# KiCad board smps_legged_robot.kicad_pcb (continued)
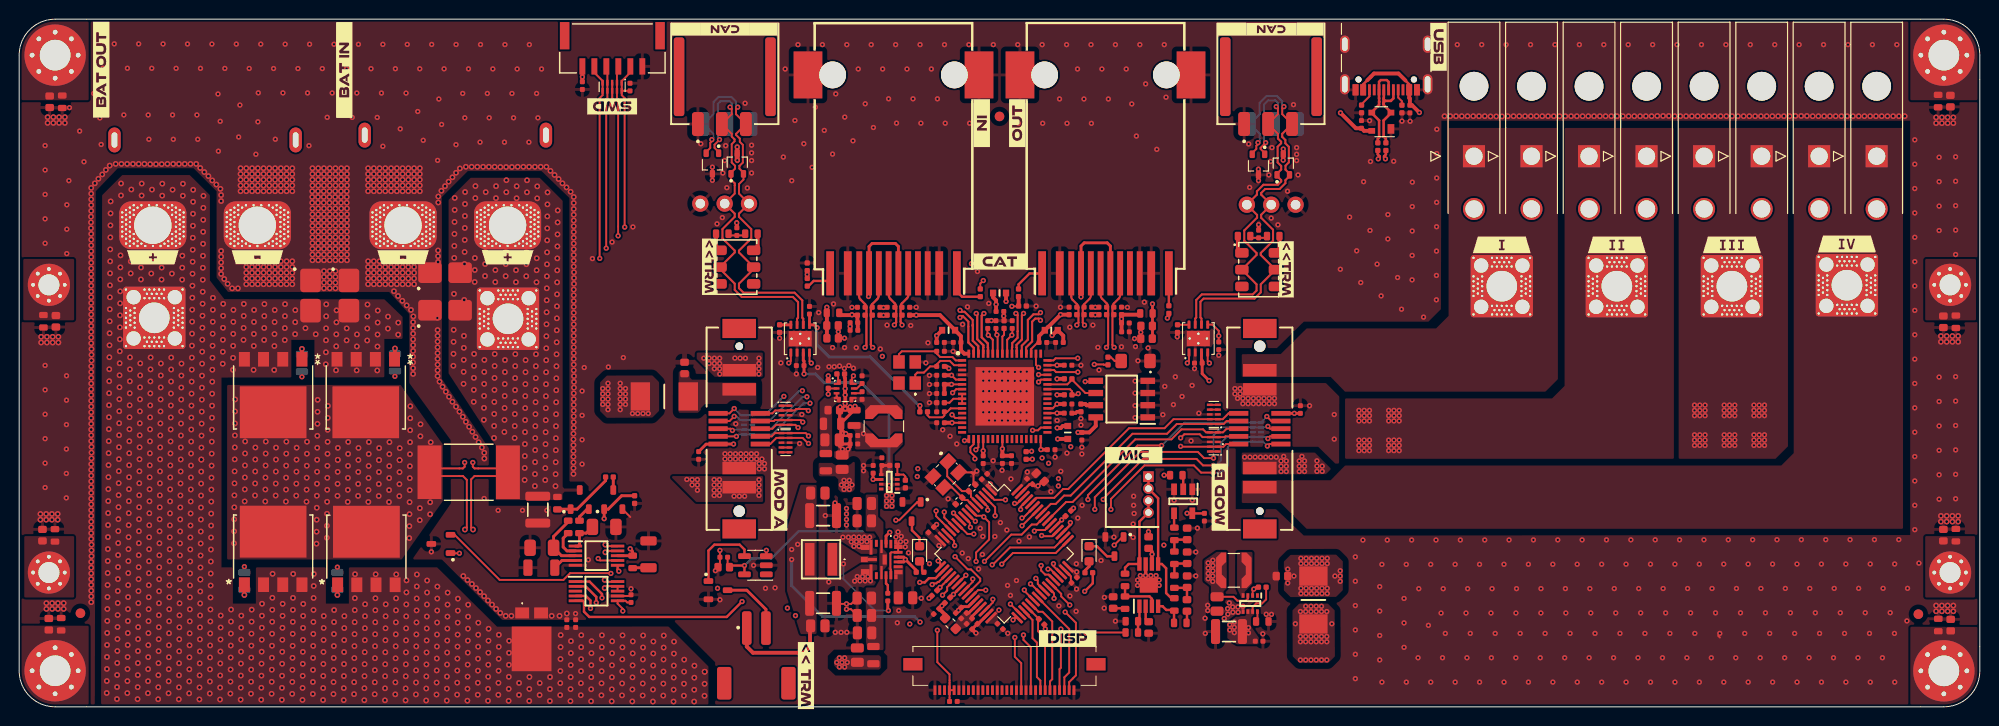
[diagram p0: board, top side]
## Routing (per net, layer and track width the routed paths; a pad name or vN(x,y) marks a point on that pad's centre or on a via; arc(x,y) is an arc through that point) (continued)
/Project Architecture/Power - Local Generation/3V3_GD: length 72.2
  L1 (Sig, PWR) w0.2: v2(128.78,12.28) 128.65,12.15 ; 128.65,12.15 IC801.2 ; 128.65,12.15 128.98,12.47 R806.1 ; v2(114.22,16.86) 115.06,17.71 Q802.1 115.09,17.71
  L1 (Sig, PWR) w0.3: IC1201.2 90.42,17.8 v2(90.8,18.19)
  L3 (Sig, PWR) w0.2: v2(114.22,16.86) v2(119.39,16.86) ; 92.89,8.76 v2(92.89,8.64) 92.89,8.56 95.97,5.48 112.25,5.48 118.18,11.41 127.92,11.41 v2(128.78,12.28)
  L4 (Sig, PWR) w0.2: v2(119.39,16.86) 121.52,14.74 121.52,13.26 122.5,12.28 v2(128.78,12.28) ; v2(90.8,18.19) 90.8,13.17 92.89,11.08 v2(92.89,8.64)
/Project Architecture/Power - Local Generation/5V_GD: length 22
  L1 (Sig, PWR) w0.2: v2(91.44,19.46) 91.79,19.46 93.69,21.36 Q801.1 ; 93.78,21.2 94.07,21.2 93.93,21.2 ; v2(84.39,32.6) R803.1 84.41,33.19 U802.2
  L4 (Sig, PWR) w0.2: v2(84.39,32.6) 84.39,26.96 89.04,22.31 89.04,20.76 90.34,19.46 v2(91.44,19.46)
/Project Architecture/Power - Local Generation/VCC_5V: length 1.1
  L1 (Sig, PWR) w0.2: C814.1 87.9,33.71 87.38,33.19 U802.7
GND: length 61
  L1 (Sig, PWR) w0.2: C401.2 99.54,23.35 99.54,24.25 ; C1802.2 73.09,14.76 C1801.2 v2(73.09,16.31) ; 91.7,17 91.6,17 IC1201.18 ; 91.7,17 v2(91.93,17.22) ; 91.7,17 IC1201.17 91.68,16.66 IC1201.16 90.97,16.11 90.87,16.01 90.87,14.36 90.92,14.31 IC1201.11 ; C1207.1 85.3,10.73 v2(86.29,10.73) 86.79,10.73 C802.2 ; U401.47 109.69,13.61 109.69,12.99 C407.2 ; 99.54,24.25 v2(99.87,24.58) 99.73,24.44 99.29,24.44 ; 99.54,24.25 99.35,24.44 99.29,24.44 ; C2001.2 63.69,11.56 IC2001.7 ; 99.29,24.44 Y401.4 ; D402.3 D402.8 v2(61.85,62.82) ; Q1102.2 62.92,20.61 63.74,19.79 ; 92.17,21.2 92.17,21.74 ; C801.2 86.76,10.18 v2(86.29,10.18) ; v2(72.3,56.27) D1104.3 72.3,54.9 v2(72.3,54.9) ; 177.39,7.23 177.21,7.41
  L1 (Sig, PWR) w0.25: C411.2 106.73,23.5 v2(106.26,23.03) 105.87,23.03 C410.2 105.4,23.22 U401.63
  L1 (Sig, PWR) w0.3: C812.2 85.69,29 v2(86.22,28.48) ; C812.2 85.69,29.53 C817.2 C813.2 85.56,29.64 C812.2 ; C812.2 85.69,27.98 C811.2 ; v2(86.22,28.48) 86.18,28.48 C811.2 ; v2(86.22,28.48) 86.41,28.28 86.67,28.28 ; 86.67,27.41 85.97,27.41 C811.2 ; 86.67,27.41 86.67,27.09 v2(86.44,26.86) ; 86.67,27.41 86.67,28.28 ; C811.2 85.99,28.28 86.67,28.28 ; C811.2 85.54,27.19 v2(85.87,26.86) ; U401.27 98.99,10.44 98.35,10.44 C414.2 98.25,10.34 v2(97.97,10.06) C413.2 ; v2(95.69,19.01) 95.67,19.01 C408.2 ; U401.31 100.03,8.66 99.95,8.66 99.39,8.09 99.39,8.09
  L1 (Sig, PWR) w0.35: R802.2 86.09,34.31 86.16,34.25 v2(86.16,33.17) 86.16,32.84 86.17,32.83 86.16,32.83 v2(86.16,32.52) v2(86.16,31.61) ; 99.71,23.17 C401.2 ; C1133.2 96.75,35.5 v2(96.97,35.28) ; v2(86.16,31.61) 86.16,31.34 86.56,30.94 C817.2 ; v2(86.16,31.61) 86.16,31.28 86.02,31.14 85.94,31.14 85.94,31.06 85.81,30.94 C813.2 ; R1130.1 110.33,30.77 110.18,30.62 C1121.2 ; IC1701.9 117.5,13.02 117.5,14.89
  L1 (Sig, PWR) w0.4: 74.86,50.52 74.85,50.52 74.85,50.47 v2(74.84,50.46) 74.85,50.44 C1150.2 ; v2(131.85,58.15) D1102.3 131.85,57.01 v2(131.84,57) ; 74.9,57.73 D1105.3 v2(74.89,58.37) ; 99.39,8.09 99.78,7.69 v2(99.8,7.69) 99.84,7.69 ; 87.71,16.64 v2(87.6,16.74) ; v2(129.25,56.05) 129.26,56.05 D1103.3 129.26,54.87 v2(129.27,54.86) ; C1149.2 v2(129.28,50.27)
  L1 (Sig, PWR) w0.5: D1105.3 74.89,57 v2(74.9,56.99)
  vias: v1(2.22,20.11) v1(2.22,19.51) v1(2.29,38.58) v1(2.29,37.98) v1(2.82,20.11) v1(2.82,19.51) v1(2.89,38.58) v1(2.89,37.98) v1(2.84,10.81) v1(2.84,10.21) v1(2.97,61.48) v1(2.97,60.88) v1(3.41,20.11) v1(3.41,19.51) v1(3.49,38.58) v1(3.49,37.98) v1(3.44,10.81) v1(3.44,10.21) v1(3.57,61.48) v1(3.57,60.88) v1(4.02,20.11) v1(4.02,19.51) v1(4.04,10.81) v1(4.04,10.21) v1(4.09,38.58) v1(4.09,37.98) v1(4.16,61.48) v1(4.16,60.88) v1(4.64,10.81) v1(4.64,10.21) v1(4.77,61.48) v1(4.77,60.88) v1(7.52,54.11) v1(7.52,53.51) v1(7.52,52.91) v1(7.52,52.31) v1(7.52,51.71) v1(7.49,51.11) v1(7.49,50.51) v1(7.49,49.91) v1(7.52,49.31) v1(7.52,48.71) v1(7.52,48.11) v1(7.52,47.51) v1(7.52,46.91) v1(7.52,46.31) v1(7.52,45.71) v1(7.52,45.11) v1(7.52,44.51) v1(7.52,43.91) v1(7.52,43.31) v1(7.52,42.71) v1(7.52,42.11) v1(7.52,41.51) v1(7.52,40.91) v1(7.52,40.31) v1(7.52,39.71) v1(7.52,39.11) v1(7.52,38.51) v1(7.52,37.91) v1(7.54,37.31) v1(7.54,36.71) v1(7.54,36.11) v1(7.52,35.51) v1(7.52,34.91) v1(7.52,34.31) v1(7.52,33.71) v1(7.52,33.11) v1(7.52,32.51) v1(7.52,31.91) v1(7.52,31.31) v1(7.52,30.71) v1(7.52,30.11) v1(7.52,29.51) v1(7.52,28.91) v1(7.52,28.31) v1(7.52,27.71) v1(7.54,27.11) v1(7.54,26.51) v1(7.54,25.91) v1(7.52,25.31) v1(7.52,24.71) v1(7.52,24.11) v1(7.52,23.51) v1(7.52,22.91) v1(7.52,22.31) v1(7.52,21.71) v1(7.52,21.11) v1(7.52,20.51) v1(7.52,19.91) v1(7.52,19.31) v1(7.52,18.71) v1(7.52,18.11) v1(7.52,17.51) v1(7.54,16.91) v1(7.54,16.31) v1(7.54,15.71) v1(7.52,15.11) v1(7.52,14.51) v1(7.52,13.91) v1(7.52,13.31) v1(7.52,12.71) v1(7.52,12.11) v1(7.52,11.51) v1(7.52,10.91) v1(7.89,54.58) v1(8.27,55.06) v1(8.66,55.51) v1(9.04,55.98) v1(9.44,56.44) v1(10.07,56.61) v1(10.66,56.61) v1(11.27,56.61) v1(11.87,56.61) v1(12.47,56.61) v1(13.07,56.61) v1(13.66,56.58) v1(14.27,56.58) v1(14.87,56.58) v1(15.47,56.61) v1(16.07,56.61) v1(16.66,56.61) v1(17.27,56.61) v1(17.87,56.61) v1(18.46,56.61) v1(18.89,56.19) v1(19.32,55.76) v1(19.74,55.33) v1(20.14,54.89) v1(20.57,54.46) v1(20.99,54.01) v1(21.07,53.36) v1(21.07,52.73) v1(21.07,47.53) v1(21.07,46.94) v1(21.07,46.33) v1(21.07,45.73) v1(21.07,45.14) v1(21.39,44.61) v1(21.74,44.11) v1(22.21,43.64) v1(22.82,43.64) v1(23.09,56.16) v1(23.09,55.56) v1(23.09,54.96) v1(23.09,54.36) v1(23.09,53.76) v1(23.69,56.16) v1(23.69,55.56) v1(23.69,54.96) v1(23.69,54.36) v1(23.69,53.76) v1(23.69,46.46) v1(23.69,45.86) v1(23.69,45.26) v1(23.69,44.66) v1(23.69,44.06) v1(24.29,56.16) v1(24.29,55.56) v1(24.29,54.96) v1(24.29,54.36) v1(24.29,53.76) v1(24.29,46.46) v1(24.29,45.86) v1(24.29,45.26) v1(24.29,44.66) v1(24.29,44.06) v1(24.89,56.16) v1(24.89,55.56) v1(24.89,54.96) v1(24.89,54.36) v1(24.89,53.76) v1(24.89,46.46) v1(24.89,45.86) v1(24.89,45.26) v1(24.89,44.66) v1(24.89,44.06) v1(25.49,56.16) v1(25.49,55.56) v1(25.49,54.96) v1(25.49,54.36) v1(25.49,53.76) v1(25.49,46.46) v1(25.49,45.86) v1(25.49,45.26) v1(25.49,44.66) v1(25.49,44.06) v1(26.09,56.16) v1(26.09,55.56) v1(26.09,54.96) v1(26.09,54.36) v1(26.09,53.76) v1(26.09,46.46) v1(26.09,45.86) v1(26.09,45.26) v1(26.09,44.66) v1(26.09,44.06) v1(26.69,56.16) v1(26.69,55.56) v1(26.69,54.96) v1(26.69,54.36) v1(26.69,53.76) v1(26.69,46.46) v1(26.69,45.86) v1(26.69,45.26) v1(26.69,44.66) v1(26.69,44.06) v1(27.29,56.16) v1(27.29,55.56) v1(27.29,54.96) v1(27.29,54.36) v1(27.29,53.76) v1(27.29,46.46) v1(27.29,45.86) v1(27.29,45.26) v1(27.29,44.66) v1(27.29,44.06) v1(27.89,56.16) v1(27.89,55.56) v1(27.89,54.96) v1(27.89,54.36) v1(27.89,53.76) v1(27.89,46.46) v1(27.89,45.86) v1(27.89,45.26) v1(27.89,44.66) v1(27.89,44.06) v1(28.49,56.16) v1(28.49,55.56) v1(28.49,54.96) v1(28.49,54.36) v1(28.49,53.76) v1(28.49,46.46) v1(28.49,45.86) v1(28.49,45.26) v1(28.49,44.66) v1(28.49,44.06) v1(30.59,56.16) v1(30.59,55.56) v1(30.59,54.96) v1(30.59,54.36) v1(30.57,53.76) v1(30.57,53.16) v1(30.57,52.56) v1(30.59,51.96) v1(30.59,51.36) v1(30.59,50.76) v1(30.59,50.16) v1(30.59,49.56) v1(30.59,48.96) v1(30.59,48.36) v1(30.59,47.76) v1(30.59,47.16) v1(30.59,46.56) v1(31.19,56.16) v1(31.19,55.56) v1(31.19,54.96) v1(31.19,54.36) v1(31.16,53.76) v1(31.16,53.16) v1(31.16,52.56) v1(31.19,51.96) v1(31.19,51.36) v1(31.19,50.76) v1(31.19,50.16) v1(31.19,49.56) v1(31.19,48.96) v1(31.19,48.36) v1(31.19,47.76) v1(31.19,47.16) v1(31.19,46.56) v1(31.79,56.16) v1(31.79,55.56) v1(31.79,54.96) v1(31.79,54.36) v1(31.77,53.76) v1(31.77,53.16) v1(31.77,52.56) v1(31.79,51.96) v1(31.79,51.36) v1(31.79,50.76) v1(31.79,50.16) v1(31.79,49.56) v1(31.79,48.96) v1(31.79,48.36) v1(31.79,47.76) v1(31.79,47.16) v1(31.79,46.56) v1(31.79,45.43) v1(31.79,44.83) v1(31.79,44.23) v1(31.79,43.64) v1(32.39,56.16) v1(32.39,55.56) v1(32.39,54.96) v1(32.39,54.36) v1(32.37,53.76) v1(32.37,53.16) v1(32.37,52.56) v1(32.39,51.96) v1(32.39,51.36) v1(32.39,50.76) v1(32.39,50.16) v1(32.39,49.56) v1(32.39,48.96) v1(32.39,48.36) v1(32.39,47.76) v1(32.39,47.16) v1(32.39,46.56) v1(32.39,45.43) v1(32.39,44.83) v1(32.39,44.23) v1(32.39,43.64) v1(32.99,56.16) v1(32.99,55.56) v1(32.99,54.96) v1(32.99,54.36) v1(32.96,53.76) v1(32.96,53.16) v1(32.96,52.56) v1(32.99,51.96) v1(32.99,51.36) v1(32.99,50.76) v1(32.99,50.16) v1(32.99,49.56) v1(32.99,48.96) v1(32.99,48.36) v1(32.99,47.76) v1(32.99,47.16) v1(32.99,46.56) v1(32.99,45.43) v1(32.99,44.83) v1(32.99,44.23) v1(32.99,43.64) v1(33.59,56.16) v1(33.59,55.56) v1(33.59,54.96) v1(33.59,54.36) v1(33.57,53.76) v1(33.57,53.16) v1(33.57,52.56) v1(33.59,51.96) v1(33.59,51.36) v1(33.59,50.76) v1(33.59,50.16) v1(33.59,49.56) v1(33.59,48.96) v1(33.59,48.36) v1(33.59,47.76) v1(33.59,47.16) v1(33.59,46.56) v1(34.19,56.16) v1(34.19,55.56) v1(34.19,54.96) v1(34.19,54.36) v1(34.16,53.76) v1(34.16,53.16) v1(34.16,52.56) v1(34.19,51.96) v1(34.19,51.36) v1(34.19,50.76) v1(34.19,50.16) v1(34.19,49.56) v1(34.19,48.96) v1(34.19,48.36) v1(34.19,47.76) v1(34.19,47.16) v1(34.19,46.56) v1(36.39,56.16) v1(36.39,55.56) v1(36.39,54.96) v1(36.39,54.36) v1(36.39,53.76) v1(36.39,46.46) v1(36.39,45.86) v1(36.39,45.26) v1(36.39,44.66) v1(36.39,44.06) v1(36.99,56.16) v1(36.99,55.56) v1(36.99,54.96) v1(36.99,54.36) v1(36.99,53.76) v1(36.99,46.46) v1(36.99,45.86) v1(36.99,45.26) v1(36.99,44.66) v1(36.99,44.06) v1(37.59,56.16) v1(37.59,55.56) v1(37.59,54.96) v1(37.59,54.36) v1(37.59,53.76) v1(37.59,46.46) v1(37.59,45.86) v1(37.59,45.26) v1(37.59,44.66) v1(37.59,44.06) v1(38.19,56.16) v1(38.19,55.56) v1(38.19,54.96) v1(38.19,54.36) v1(38.19,53.76) v1(38.19,46.46) v1(38.19,45.86) v1(38.19,45.26) v1(38.19,44.66) v1(38.19,44.06) v1(38.79,56.16) v1(38.79,55.56) v1(38.79,54.96) v1(38.79,54.36) v1(38.79,53.76) v1(38.79,46.46) v1(38.79,45.86) v1(38.79,45.26) v1(38.79,44.66) v1(38.79,44.06) v1(39.09,43.33) v1(39.39,56.16) v1(39.39,55.56) v1(39.39,54.96) v1(39.39,54.36) v1(39.39,53.76) v1(39.39,46.46) v1(39.39,45.86) v1(39.39,45.26) v1(39.39,44.66) v1(39.39,44.06) v1(39.52,42.83) v1(39.99,56.16) v1(39.99,55.56) v1(39.99,54.96) v1(39.99,54.36) v1(39.99,53.76) v1(39.99,46.46) v1(39.99,45.86) v1(39.99,45.26) v1(39.99,44.66) v1(39.99,44.06) v1(39.96,42.33) v1(40.41,41.86) v1(40.59,56.16) v1(40.59,55.56) v1(40.59,54.96) v1(40.59,54.36) v1(40.59,53.76) v1(40.59,46.46) v1(40.59,45.86) v1(40.59,45.26) v1(40.59,44.66) v1(40.59,44.06) v1(40.87,41.39) v1(41.12,40.71) v1(41.09,40.11) v1(41.09,39.51) v1(41.09,38.91) v1(41.09,38.31) v1(41.09,37.71) v1(41.09,37.11) v1(41.09,36.51) v1(41.09,35.91) v1(41.09,35.31) v1(41.09,34.71) v1(41.19,56.16) v1(41.19,55.56) v1(41.19,54.96) v1(41.19,54.36) v1(41.19,53.76) v1(41.19,46.46) v1(41.19,45.86) v1(41.19,45.26) v1(41.19,44.66) v1(41.19,44.06) v1(41.79,56.16) v1(41.79,55.56) v1(41.79,54.96) v1(41.79,54.36) v1(41.79,53.76) v1(43.71,53.21) v1(43.71,52.58) v1(43.69,47.58) v1(43.69,46.98) v1(43.69,46.39) v1(43.64,39.28) v1(43.64,38.69) v1(43.64,38.08) v1(43.64,37.48) v1(43.64,36.89) v1(43.64,36.28) v1(43.64,35.69) v1(43.64,35.08) v1(43.64,34.49) v1(43.84,33.91) v1(44.04,53.81) v1(44.16,33.38) v1(44.41,54.28) v1(44.5,32.86) v1(44.79,54.76) v1(44.83,32.33) v1(45.19,55.21) v1(45.19,31.81) v1(45.57,55.69) v1(45.56,31.3) v1(45.92,30.78) v1(45.96,56.14) v1(46.27,30.25) v1(46.32,13.64) v1(46.59,56.31) v1(46.59,29.72) v1(46.76,13.22) v1(46.93,29.2) v1(47.19,56.31) v1(47.22,12.81) v1(47.27,28.68) v1(47.6,28.14) v1(47.65,12.39) v1(47.79,56.31) v1(47.92,27.59) v1(48.07,11.96) v1(48.26,27.04) v1(48.39,56.31) v1(48.51,26.49) v1(48.52,25.89) v1(48.49,11.53) v1(48.9,11.08) v1(48.99,56.31) v1(49.32,10.66) v1(49.59,56.31) v1(49.74,10.21) v1(50.19,56.28) v1(50.18,9.79) v1(50.79,56.28) v1(50.74,9.48) v1(51.34,9.48) v1(51.39,56.28) v1(51.99,56.31) v1(52.59,56.31) v1(53.19,56.31) v1(53.79,56.31) v1(54.39,56.31) v1(54.99,56.31) v1(55.41,55.89) v1(55.54,9.48) v1(55.84,55.46) v1(56.27,55.03) v1(56.36,9.48) v1(56.66,54.58) v1(57.09,54.16) v1(57.12,9.73) v1(57.52,53.71) v1(57.84,53.16) v1(57.84,52.53) v1(57.84,51.91) v1(57.84,51.31) v1(57.84,50.71) v1(57.84,50.11) v1(57.84,49.51) v1(57.84,48.91) v1(57.84,48.31) v1(57.84,47.71) v1(57.84,47.11) v1(57.84,46.51) v1(57.84,45.91) v1(57.84,43.51) v1(57.84,42.91) v1(57.84,42.31) v1(57.84,41.71) v1(57.84,41.08) v1(57.84,40.48) v1(57.84,39.89) v1(57.84,39.28) v1(57.84,38.69) v1(57.84,38.08) v1(57.84,37.48) v1(57.84,36.89) v1(57.84,36.28) v1(57.84,35.69) v1(57.84,35.08) v1(57.84,32.69) v1(57.84,32.08) v1(57.84,31.48) v1(57.84,30.89) v1(57.84,30.28) v1(57.84,29.69) v1(57.84,29.08) v1(57.82,28.48) v1(57.82,27.89) v1(57.82,27.28) v1(57.82,26.69) v1(57.82,26.08) v1(57.82,25.48) v1(57.82,24.89) v1(57.82,24.28) v1(57.87,45.31) v1(57.87,44.71) v1(57.87,44.11) v1(57.87,34.48) v1(57.87,33.89) v1(57.87,33.28) v1(148.67,61.59) v1(149.27,61.59) v1(149.87,61.59) v1(150.47,61.59) v1(151.06,61.59) v1(151.67,61.59) v1(152.27,61.59) v1(152.87,61.59) v1(153.47,61.56) v1(154.06,61.56) v1(154.67,61.56) v1(155.27,61.59) v1(155.87,61.59) v1(156.47,61.59) v1(157.06,61.59) v1(157.67,61.59) v1(158.27,61.59) v1(158.87,61.59) v1(159.47,61.59) v1(160.06,61.59) v1(160.67,61.59) v1(161.27,61.59) v1(161.87,61.59) v1(162.47,61.59) v1(163.06,61.59) v1(163.67,61.59) v1(164.27,61.59) v1(164.87,61.59) v1(165.47,61.59) v1(166.06,61.59) v1(166.67,61.59) v1(167.27,61.59) v1(167.87,61.59) v1(168.47,61.59) v1(169.06,61.59) v1(169.67,61.59) v1(170.27,61.59) v1(170.87,61.61) v1(171.47,61.61) v1(172.06,61.61) v1(172.67,61.59) v1(173.27,61.59) v1(173.87,61.59) v1(174.47,61.59) v1(175.06,61.59) v1(175.67,61.59) v1(176.27,61.59) v1(176.87,61.59) v1(177.47,61.59) v1(178.06,61.59) v1(178.67,61.59) v1(179.27,61.59) v1(179.87,61.59) v1(180.47,61.59) v1(181.06,61.59) v1(181.67,61.59) v1(182.27,61.59) v1(182.87,61.59) v1(183.47,61.59) v1(184.06,61.59) v1(184.67,61.59) v1(185.27,61.61) v1(185.87,61.61) v1(186.47,61.61) v1(187.06,61.59) v1(187.67,61.59) v1(188.27,61.59) v1(188.87,61.59) v1(189.47,61.59) v1(190.06,61.59) v1(190.67,61.59) v1(191.27,61.59) v1(191.87,61.59) v1(192.47,61.59) v1(193.06,61.59) v1(193.67,61.59) v1(194.27,61.59) v1(194.87,61.59) v1(195.47,61.59) v1(196.06,61.59) v1(196.67,61.59) v1(199.94,61.46) v1(199.94,60.86) v1(199.94,10.56) v1(199.94,9.96) v1(200.44,38.66) v1(200.44,38.06) v1(200.44,19.91) v1(200.44,19.31) v1(200.54,61.46) v1(200.54,60.86) v1(200.54,10.56) v1(200.54,9.96) v1(201.04,38.66) v1(201.04,38.06) v1(201.04,19.91) v1(201.04,19.31) v1(201.14,61.46) v1(201.14,60.86) v1(201.14,10.56) v1(201.14,9.96) v1(201.64,38.66) v1(201.64,38.06) v1(201.64,19.91) v1(201.64,19.31) v1(201.74,61.46) v1(201.74,60.86) v1(201.74,10.56) v1(201.74,9.96) v1(202.24,38.66) v1(202.24,38.06) v1(202.24,19.91) v1(202.24,19.31) v2(2.71,58.52) v2(2.71,55.97) v2(2.71,53.43) v2(2.71,50.88) v2(2.71,48.33) v2(2.71,35.6) v2(2.71,33.05) v2(2.71,30.51) v2(2.71,27.96) v2(2.71,25.41) v2(2.71,22.86) v2(4.94,34.52) v2(4.93,31.97) v2(4.93,29.43) v2(4.93,26.88) v2(4.92,24.33) v2(4.92,21.78) v2(4.97,52.35) v2(4.97,49.8) v2(4.96,47.25) v2(5.18,54.86) v2(5.24,62.47) v2(6.31,60.03) v2(6.76,56.83) v2(7.78,63.95) v2(8.42,61.4) v2(8.55,58.64) v2(8.75,66.59) v2(9.92,69.13) v2(10.92,61.71) v2(11.29,66.58) v2(12.46,69.12) v2(13.46,61.71) v2(13.53,59.17) v2(13.83,66.58) v2(15.01,69.12) v2(16,61.71) v2(16.08,59.17) v2(16.37,66.57) v2(17.56,69.11) v2(18.54,61.71) v2(18.62,59.17) v2(18.91,66.57) v2(20.1,69.11) v2(20.74,63.9) v2(20.78,57.94) v2(20.97,61.05) v2(21.45,66.57) v2(22.65,69.1) v2(22.89,59.41) v2(23.02,62.74) v2(23.99,66.56) v2(24.69,57.62) v2(24.9,61) v2(24.94,64.02) v2(25.2,69.1) v2(26.53,66.56) v2(26.72,59.18) v2(27.51,64.01) v2(27.74,69.09) v2(29.07,66.55) v2(30.08,64.01) v2(30.23,58.51) v2(30.29,69.09) v2(31.62,66.55) v2(32.13,61.47) v2(32.65,64) v2(32.84,69.08) v2(34.16,66.54) v2(34.74,61.46) v2(35.22,64) v2(35.39,69.08) v2(36.7,66.54) v2(37.35,61.46) v2(37.79,64) v2(37.93,69.08) v2(37.93,58.45) v2(39.24,66.53) v2(39.75,60.27) v2(40.35,63.99) v2(40.48,69.07) v2(41.57,62.07) v2(41.78,66.53) v2(42.15,59.07) v2(43.03,69.07) v2(42.99,16.16) v2(43.62,40.54) v2(43.64,56.98) v2(43.77,63.37) v2(44.06,60.72) v2(44.32,66.52) v2(45.57,69.06) v2(45.56,58.62) v2(46.26,63.95) v2(46.48,61.41) v2(46.86,66.52) v2(48.12,69.06) v2(48.07,58.88) v2(48.49,21.72) v2(48.83,63.95) v2(49.02,61.41) v2(49.4,66.51) v2(49.96,20.48) v2(50.62,58.88) v2(50.67,69.05) v2(51.4,63.95) v2(51.56,61.41) v2(51.94,66.51) v2(52.5,20.48) v2(53.21,69.05) v2(53.16,58.88) v2(53.97,63.95) v2(54.11,61.41) v2(54.48,66.5) v2(55.04,20.48) v2(58.03,9.72) v2(58.71,32.93) v2(58.71,30.39) v2(58.71,27.85) v2(58.71,25.31) v2(58.94,35.38) v2(59.36,15.33) v2(59.79,46.73) v2(61.45,35.44) v2(61.84,48.46) v2(63.02,36.41) v2(63.82,12.31) v2(64.02,50.03) v2(71.09,58.71) v2(72.62,14.19) v2(72.79,50.36) v2(73.09,11.17) v2(73.34,51.01) v2(73.39,55.66) v2(73.59,56.96) v2(73.62,26.39) v2(73.62,25.83) v2(73.69,58.51) v2(73.81,54.13) v2(74.16,26.39) v2(74.16,25.83) v2(74.72,26.39) v2(74.72,25.83) v2(74.74,29.51) v2(75.27,26.39) v2(75.27,25.83) v2(75.72,62.94) v2(75.81,26.39) v2(75.81,25.83) v2(75.95,54.1) v2(76.39,58.56) v2(76.39,57.76) v2(76.39,56.96) v2(76.39,55.66) v2(76.37,26.39) v2(76.37,25.83) v2(76.6,14.75) v2(76.91,26.39) v2(76.91,25.83) v2(77.19,25.36) v2(77.19,24.81) v2(77.47,25.83) v2(77.74,25.36) v2(77.74,24.81) v2(77.84,12.36) v2(78.84,12.41) v2(79.31,38.44) v2(79.44,35.86) v2(79.7,57.33) v2(79.9,66.5) v2(80.58,54.86) v2(80.91,61.14) v2(81.06,34.71) v2(81.23,69.05) v2(81.4,27.45) v2(81.63,30.48) v2(81.84,58.71) v2(82.71,56.25) v2(83.04,62.52) v2(83.29,35.39) v2(83.39,41.11) v2(83.78,69.05) v2(83.97,60.1) v2(84.08,19.94) v2(84.44,13.02) v2(84.47,35.46) v2(84.84,57.63) v2(84.84,37.46) v2(84.94,42.01) v2(85.02,35.46) v2(85.09,21.26) v2(85.12,7.77) v2(85.17,63.91) v2(85.44,39.11) v2(85.56,35.53) v2(85.63,31.26) v2(85.73,7.77) v2(85.92,17.69) v2(86.11,61.49) v2(86.08,38.44) v2(86.09,37.46) v2(86.06,35.28) v2(86.17,31.08) v2(86.32,69.05) v2(86.29,20.69) v2(86.29,20.11) v2(86.29,19.53) v2(86.29,18.96) v2(86.33,7.77) v2(86.49,17.69) v2(86.54,35.58) v2(86.67,39.66) v2(86.67,31.27) v2(86.79,17.21) v2(86.86,41.65) v2(86.97,59.02) v2(87.02,35.31) v2(87.05,17.7) v2(87.06,16.73) v2(87.18,31.33) v2(87.14,13.11) v2(87.31,37.45) v2(87.33,17.22) v2(87.42,13.58) v2(87.52,66.5) v2(87.6,17.7) v2(87.69,13.14) v2(87.87,17.22) v2(87.97,13.58) v2(88.07,25.16) v2(88.07,24.61) v2(88.15,17.69) v2(88.24,13.14) v2(88.24,62.88) v2(88.42,17.22) v2(88.52,13.58) v2(88.7,17.69) v2(88.79,13.14) v2(88.87,69.05) v2(89.1,60.4) v2(89.82,37.31) v2(90.06,66.5) v2(90.15,41.64) v2(90.52,39.8) v2(90.68,63.4) v2(91.42,69.05) v2(91.51,60.86) v2(91.45,17.7) v2(91.59,8.76) v2(91.67,18.23) v2(91.74,10.03) v2(92,17.77) v2(92.42,16.68) v2(92.49,17.23) v2(92.6,66.5) v2(92.77,16.06) v2(92.99,39.76) v2(93.23,63.4) v2(93.56,41.66) v2(93.96,69.05) v2(94.05,60.86) v2(94.09,11.32) v2(94.57,35.86) v2(94.79,37.96) v2(94.94,34.56) v2(94.94,33.61) v2(94.94,32.66) v2(94.94,31.71) v2(95.14,66.5) v2(95.78,63.39) v2(96.33,28.89) v2(96.51,69.05) v2(96.59,60.85) v2(96.89,21.69) v2(97.09,28.21) v2(97.42,37.06) v2(97.79,27.41) v2(98.4,39.88) v2(98.37,16.03) v2(98.91,41.7) v2(98.99,15.46) v2(99.06,69.05) v2(99.13,60.85) v2(99.95,45.39) v2(100.07,14.37) v2(100.24,18.61) v2(100.51,17.77) v2(100.47,15.89) v2(100.57,34.95) v2(100.56,34.01) v2(100.56,32.91) v2(100.56,31.81) v2(100.56,30.71) v2(101.13,42.06) v2(101.19,34.96) v2(101.18,34.02) v2(101.18,32.92) v2(101.18,31.82) v2(101.18,30.72) v2(101.17,29.86) v2(101.4,40.28) v2(101.61,69.05) v2(101.59,25.66) v2(101.81,34.95) v2(101.79,34.01) v2(101.79,32.91) v2(101.79,31.81) v2(101.79,30.71) v2(101.78,29.85) v2(101.77,17.76) v2(102.34,19.21) v2(102.53,34.95) v2(102.52,34.02) v2(102.52,32.92) v2(102.52,31.81) v2(102.52,30.72) v2(102.51,29.86) v2(102.51,24.66) v2(102.69,40.75) v2(103.02,18.44) v2(103.14,34.01) v2(103.14,32.91) v2(103.14,31.81) v2(103.14,30.71) v2(103.12,29.85) v2(103.09,12.66) v2(103.11,7.67) v2(103.15,34.95) v2(103.39,11.62) v2(103.44,23.76) v2(103.84,33.98) v2(103.84,32.89) v2(103.84,31.81) v2(103.84,30.71) v2(103.83,29.83) v2(103.86,34.92) v2(104.02,13.17) v2(104.15,69.05) v2(104.21,60.85) v2(104.28,17.26) v2(104.44,29.83) v2(104.47,34.94) v2(104.45,34) v2(104.45,32.89) v2(104.45,31.8) v2(104.45,30.69) v2(105.09,34.95) v2(105.08,34.01) v2(105.08,32.9) v2(105.08,31.8) v2(105.08,30.7) v2(105.07,29.85) v2(105.37,17.71) v2(106.07,41.78) v2(106.7,69.05) v2(106.75,60.84) v2(107.61,22.44) v2(108.05,26.04) v2(108.26,29.86) v2(108.44,10.53) v2(108.51,63.38) v2(108.61,41.66) v2(108.64,24.56) v2(109.25,69.05) v2(109.29,60.84) v2(109.28,26.45) v2(109.58,39.58) v2(109.59,11.56) v2(110.24,9.96) v2(110.27,14.91) v2(110.28,12.28) v2(110.39,66.5) v2(110.42,19.69) v2(110.74,35.61) v2(110.74,30.06) v2(110.74,29.38) v2(110.84,27.06) v2(110.84,26.36) v2(110.87,21.01) v2(111.06,63.38) v2(111.79,69.05) v2(111.83,60.84) v2(111.99,39.8) v2(112.24,41.66) v2(112.51,37.48) v2(112.63,35.12) v2(112.84,15.26) v2(112.93,66.5) v2(113.19,11.42) v2(113.17,10.29) v2(113.6,63.38) v2(114.18,17.69) v2(114.34,8.94) v2(114.34,69.05) v2(114.97,37.53) v2(115.47,66.5) v2(115.59,41.65) v2(116.05,62.86) v2(116.24,21.96) v2(116.24,21.01) v2(116.19,19.06) v2(116.19,17.66) v2(116.33,38.39) v2(116.29,20.16) v2(116.44,37.56) v2(116.39,33.96) v2(116.39,32.71) v2(116.39,31.41) v2(116.39,30.16) v2(116.53,59.52) v2(116.69,36.08) v2(116.65,13.22) v2(116.65,12.67) v2(116.89,69.05) v2(116.94,13.69) v2(116.98,39.05) v2(117.36,42.19) v2(117.49,64.95) v2(117.49,13.69) v2(117.75,37.42) v2(117.79,18.26) v2(118.03,13.69) v2(118.58,13.69) v2(118.66,58.13) v2(118.9,13.22) v2(118.9,12.67) v2(119.29,30.46) v2(119.43,69.05) v2(119.49,33.41) v2(119.62,63.56) v2(120.39,31.51) v2(120.47,21.53) v2(120.59,34.41) v2(120.79,38.58) v2(121.29,32.36) v2(122.23,27.73) v2(122.34,33.51) v2(122.37,21.53) v2(122.59,35.26) v2(122.72,16.14) v2(122.72,13.65) v2(122.89,18.64) v2(123.04,30.61) v2(123.69,9.23) v2(123.72,7.66) v2(123.97,10.58) v2(123.97,10.03) v2(124.59,19.36) v2(125.12,36.65) v2(125.69,9.21) v2(126.04,10.23) v2(126.06,9.66) v2(126.22,10.84) v2(126.56,10.41) v2(126.59,9.86) v2(126.81,33.19) v2(126.81,32.64) v2(127.08,32.16) v2(127.12,10.41) v2(127.14,9.86) v2(127.36,33.19) v2(127.36,32.64) v2(127.63,32.16) v2(127.63,31.61) v2(127.64,10.48) v2(128.24,58.69) v2(128.18,32.16) v2(128.18,31.61) v2(128.34,54.16) v2(128.73,32.16) v2(128.73,31.61) v2(129.28,32.16) v2(129.28,31.61) v2(129.72,7.61) v2(129.83,32.16) v2(129.83,31.61) v2(130.07,9.65) v2(130.34,55.46) v2(130.38,32.16) v2(130.38,31.61) v2(130.54,56.86) v2(130.59,50.96) v2(130.62,9.64) v2(130.67,58.31) v2(130.93,32.16) v2(130.93,31.61) v2(131.29,50.26) v2(132.29,53.76) v2(132.92,62.78) v2(133.24,58.31) v2(133.24,57.61) v2(133.24,56.96) v2(133.39,55.46) v2(134.59,31.39) v2(137.17,30.47) v2(137.17,27.91) v2(137.8,45.63) v2(138.77,51.06) v2(139.37,15.64) v2(139.37,13.1) v2(139.37,10.56) v2(139.37,8.02) v2(139.37,5.48) v2(139.37,2.94) v2(139.5,47.55) v2(139.93,44.24) v2(140.23,54.75) v2(140.16,17.39) v2(140.85,61.12) v2(140.94,56.86) v2(140.9,49.67) v2(141.64,46.15) v2(141.91,12.53) v2(141.91,9.98) v2(141.91,7.44) v2(141.91,4.89) v2(142.06,42.85) v2(142.13,14.85) v2(142.14,2.58) v2(142.7,17.39) v2(142.76,51.32) v2(142.75,48.78) v2(143.37,56.89) v2(143.77,44.76) v2(144.23,61.07) v2(144.18,41.46) v2(144.45,11.3) v2(144.45,8.75) v2(144.45,6.2) v2(144.68,14.85) v2(144.68,2.58) v2(145.08,61.05) v2(145.24,17.39) v2(145.31,54.71) v2(145.3,52.16) v2(145.3,49.61) v2(145.29,47.07) v2(145.28,44.52) v2(145.91,5.11) v2(145.98,12.31) v2(146.48,40.64) v2(146.99,8.49) v2(147.23,14.85) v2(147.23,2.58) v2(147.84,50.06) v2(147.83,47.52) v2(147.82,44.98) v2(147.82,42.44) v2(147.78,17.39) v2(147.86,60.22) v2(147.86,57.68) v2(147.85,55.14) v2(147.84,52.6) v2(148.31,9.78) v2(148.53,12.32) v2(148.46,5.11) v2(148.75,7.66) v2(149.77,14.86) v2(149.78,2.58) v2(150,69.05) v2(150.32,17.4) v2(150.91,9.78) v2(151.01,5.11) v2(151.08,12.32) v2(151.35,7.66) v2(152.32,14.86) v2(152.32,2.58) v2(152.54,69.05) v2(152.86,17.4) v2(153.51,9.78) v2(153.63,12.32) v2(153.55,5.11) v2(153.95,7.66) v2(154.87,14.86) v2(154.87,2.58) v2(155.09,69.05) v2(155.4,17.4) v2(156.11,9.78) v2(156.1,5.11) v2(156.18,12.32) v2(156.56,7.66) v2(157.41,14.86) v2(157.42,2.58) v2(157.64,69.05) v2(157.94,17.4) v2(158.73,12.32) v2(158.72,9.78) v2(158.65,5.11) v2(159.16,7.66) v2(159.96,14.86) v2(159.97,2.58) v2(160.19,69.05) v2(160.48,17.41) v2(161.2,5.11) v2(161.27,12.33) v2(161.32,9.79) v2(161.76,7.66) v2(162.51,14.87) v2(162.51,2.58) v2(162.73,69.05) v2(163.02,17.41) v2(163.82,12.33) v2(163.75,5.11) v2(163.92,9.79) v2(164.36,7.66) v2(165.05,14.87) v2(165.06,2.58) v2(165.28,69.05) v2(165.56,17.41) v2(166.3,5.11) v2(166.37,12.33) v2(166.52,9.79) v2(166.97,7.66) v2(167.6,14.87) v2(167.61,2.58) v2(167.83,69.05) v2(168.1,17.41) v2(168.92,12.33) v2(168.85,5.11) v2(169.13,9.79) v2(169.57,7.66) v2(170.15,14.87) v2(170.15,2.58) v2(170.37,69.05) v2(170.64,17.41) v2(171.4,5.11) v2(171.47,12.33) v2(171.73,9.79) v2(172.17,7.66) v2(172.7,14.88) v2(172.7,2.58) v2(172.92,69.05) v2(173.18,17.42) v2(174.02,12.34) v2(173.95,5.11) v2(174.33,9.8) v2(174.77,7.66) v2(175.24,14.88) v2(175.25,2.58) v2(175.47,69.05) v2(175.72,17.42) v2(176.49,5.11) v2(176.57,12.34) v2(176.93,9.8) v2(177.38,7.66) v2(177.79,14.88) v2(177.79,2.58) v2(178.01,69.05) v2(178.26,17.42) v2(179.12,12.34) v2(179.04,5.11) v2(179.54,9.8) v2(179.98,7.66) v2(180.34,14.88) v2(180.34,2.58) v2(180.56,69.05) v2(180.8,17.42) v2(181.59,5.11) v2(181.67,12.34) v2(182.14,9.8) v2(182.58,7.66) v2(182.88,14.88) v2(182.89,2.58) v2(183.11,69.05) v2(183.35,17.42) v2(184.22,12.34) v2(184.14,5.11) v2(184.74,9.8) v2(185.18,7.66) v2(185.43,14.89) v2(185.44,2.58) v2(185.65,69.05) v2(185.89,17.43) v2(186.69,5.11) v2(186.76,12.35) v2(187.34,9.81) v2(187.79,7.66) v2(187.98,14.89) v2(187.98,2.58) v2(188.2,69.05) v2(188.43,17.43) v2(189.24,5.11) v2(189.31,12.35) v2(189.95,9.81) v2(190.39,7.66) v2(190.52,14.89) v2(190.53,2.58) v2(190.75,69.05) v2(190.97,17.43) v2(191.79,5.11) v2(191.86,12.35) v2(192.55,9.81) v2(192.99,7.66) v2(193.07,14.89) v2(193.08,2.58) v2(193.3,69.05) v2(193.51,17.43) v2(194.34,5.11) v2(194.41,12.35) v2(195.15,9.81) v2(195.62,14.89) v2(195.59,7.66) v2(195.62,2.58) v2(195.84,69.05) v2(196.05,17.43) v2(196.9,8.96) v2(196.96,12.35) v2(197.72,59.12) v2(197.72,56.58) v2(197.72,54.04) v2(197.72,51.5) v2(197.72,48.96) v2(197.72,46.42) v2(197.72,43.88) v2(197.72,41.34) v2(197.72,38.8) v2(197.72,36.26) v2(197.72,33.71) v2(197.72,31.17) v2(197.72,28.63) v2(197.72,26.09) v2(197.72,23.55) v2(197.72,21.01) v2(197.72,18.47) v2(198.15,14.98) v2(200.25,57.3) v2(200.25,54.76) v2(200.25,52.21) v2(200.25,49.66) v2(200.25,34.38) v2(200.25,31.83) v2(200.25,29.29) v2(200.25,26.74) v2(200.25,24.19) v2(200.25,21.65) v2(201.98,57.35) v2(201.98,54.8) v2(201.98,52.26) v2(201.98,49.71) v2(201.98,47.16) v2(201.98,34.43) v2(201.98,31.88) v2(201.98,29.33) v2(201.98,26.79) v2(201.98,24.24) v2(201.98,21.69)
